# Altium PCB DRS4-PCB.PcbDoc (part 9 of 15)
Units mil, origin at the board's own origin, x right, y up, seen from the top; angles counter-clockwise.
Board outline 12350 x 7411.06 mil, 12 copper layers (Top Layer, Ground Layer 2, Signal Layer 3, Signal Layer 4, Ground Layer 5, Power Layer 6, Ground Layer 7, Ground Layer 8, Power Layer 9, Power Layer 10, Ground Layer 11, Bottom Layer), stack 61.6 mil thick; 1264 components, 1069 nets, 3958 pads, 2329 vias.
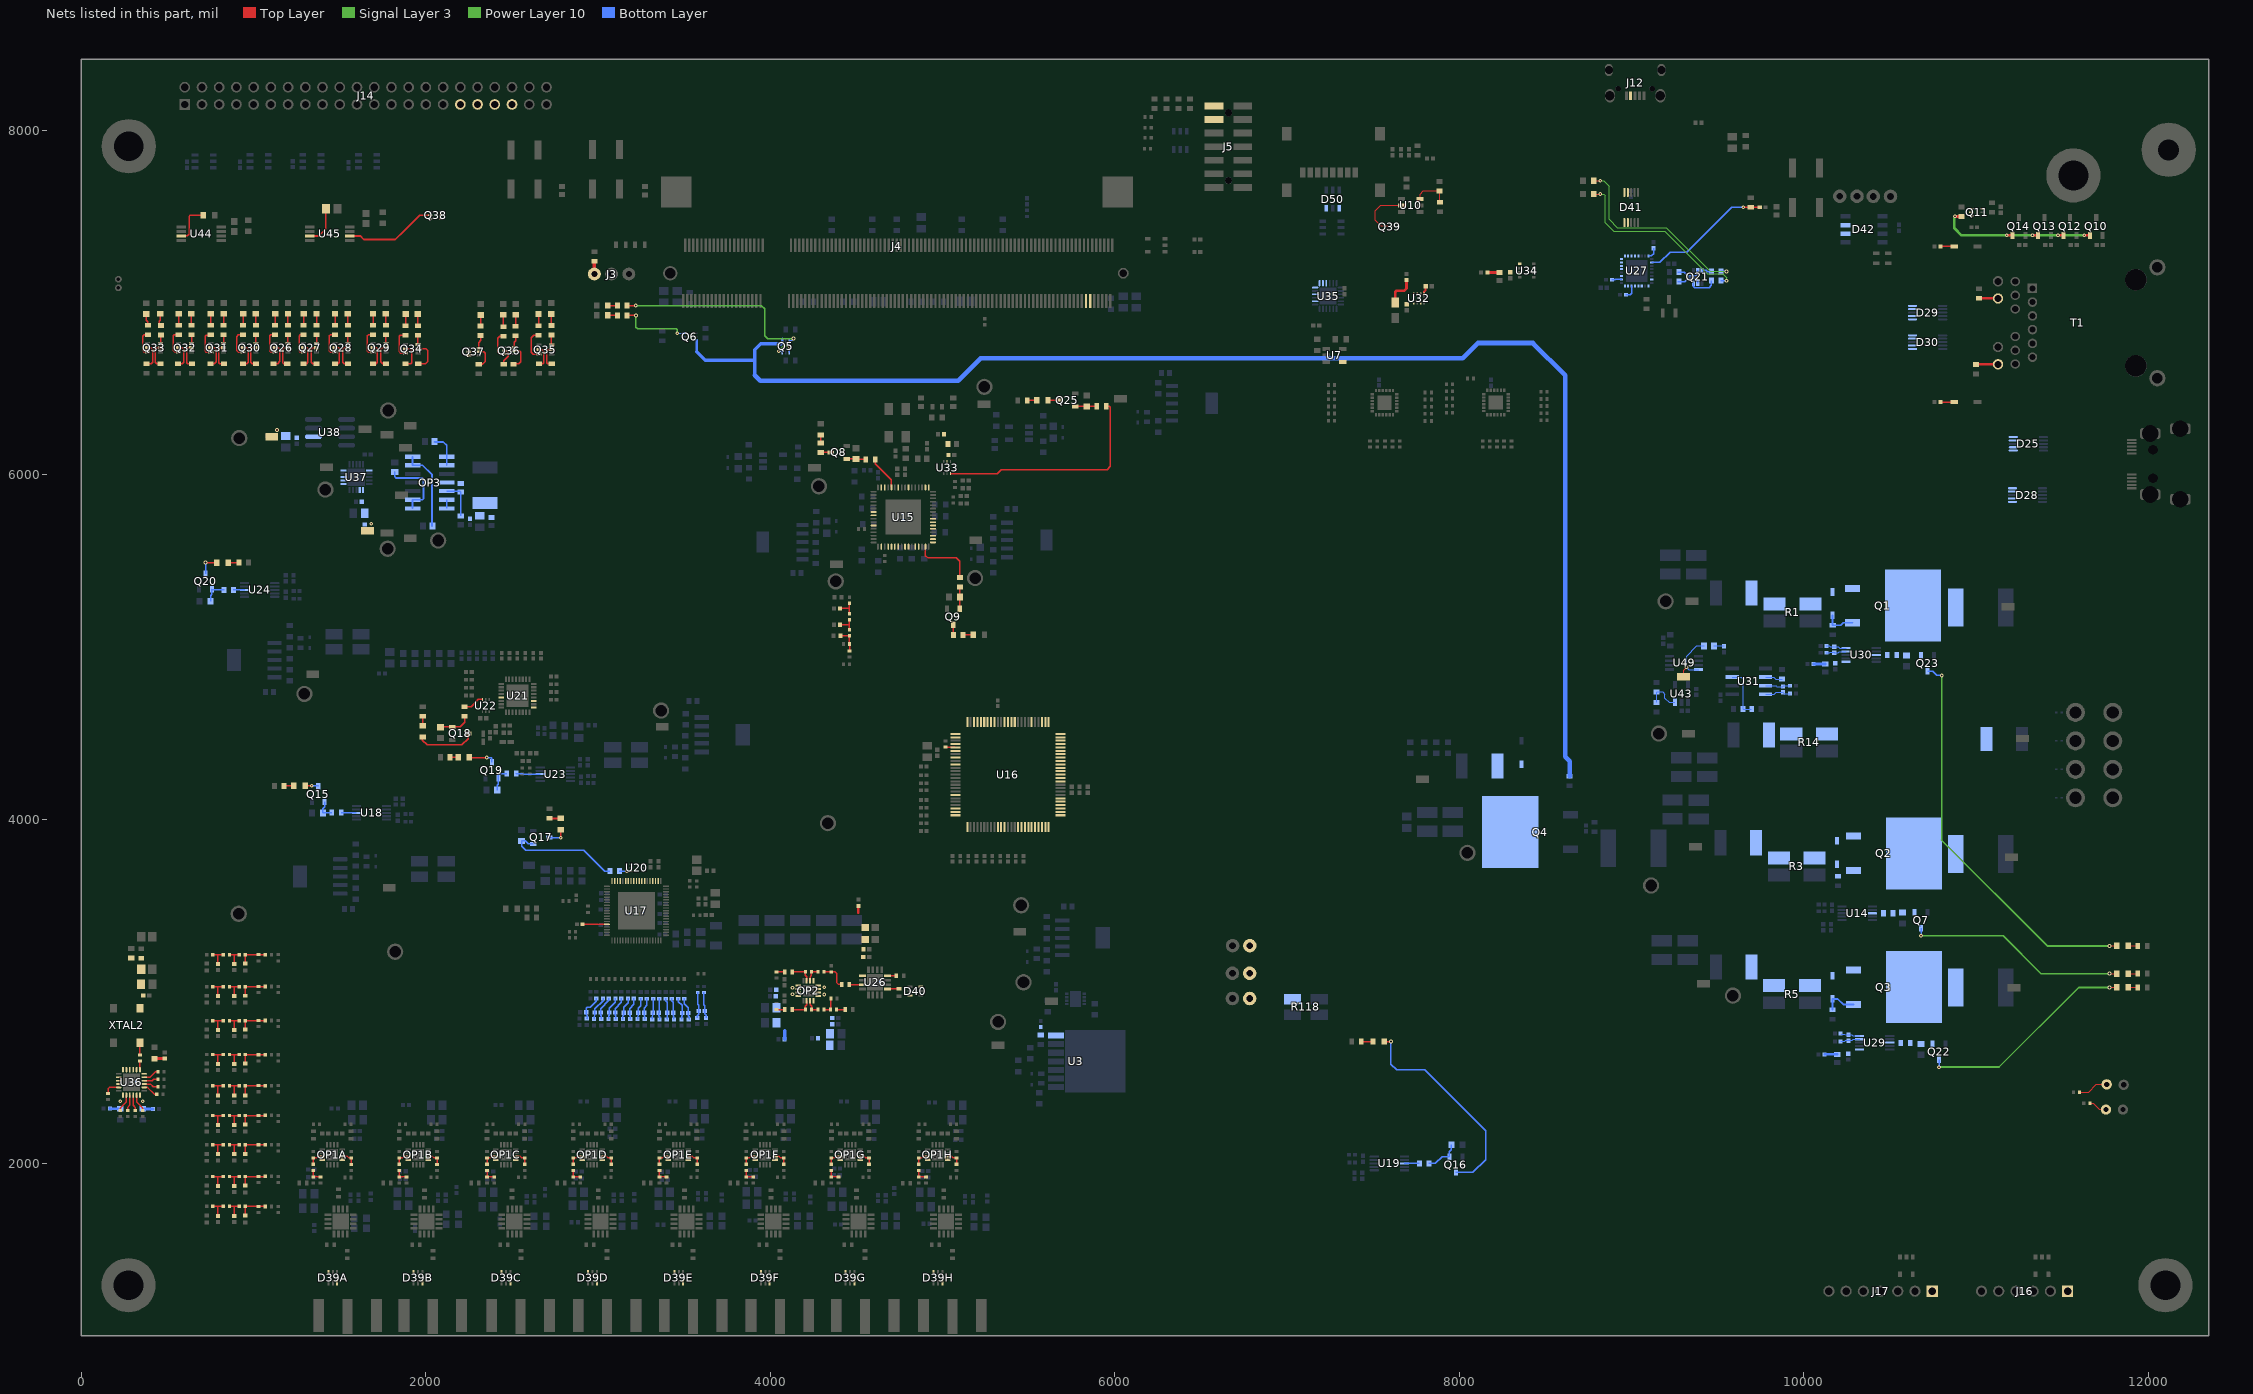
[diagram p19: the nets of this part, all layers, seen from the top]

## Via types
v1: diameter 21.65, hole 10, Top Layer to Bottom Layer, 2294 vias
v2: diameter 25, hole 15, Top Layer to Bottom Layer, 16 vias
v3: diameter 19, hole 8, Top Layer to Bottom Layer, 12 vias
v4: diameter 40, hole 28, Top Layer to Bottom Layer, 3 vias
v5: diameter 30, hole 20, Top Layer to Bottom Layer, 2 vias
v6: diameter 27.56, hole 10, Top Layer to Bottom Layer, 1 vias
v7: diameter 18, hole 10, Top Layer to Bottom Layer, 1 vias

## Nets (pads, with @x,y where several pads share a name; then routed paths per layer and width w, separated by ;. In a path a pad name is that pad's centre, name@x,y a point inside that pad or via, vN(x,y) a via of type N, cw(c..) or ccw(c..) an arc to the next point about the centre after c; other vN are vias at no path point) (continued)
NetC212A_2: C212A.2 L3A.2 R180A.1 | length 156.1
  Bottom Layer w7.87: L3A.2@2933.69,2842.07 2935.94,2844.32 2935.94,2860.83 2931.36,2865.41 2931.36,2879.68 2931.36,2901.93 2938.08,2908.66 2955.24,2908.66 2989.75,2943.17 R180A.1@2989.75,2961.05
NetC212B_1: C212B.1 L2B.1 R179B.1 | length 142.9
  Bottom Layer w7.87: L2B.1@2976.14,2839.58 2976,2839.73 2976,2856.88 2980.49,2861.37 2980.49,2877.19 2980.49,2898.39 3028.3,2946.2 R179B.1@3028.3,2960.74
NetC212B_2: C212B.2 L3B.2 R180B.1 | length 143
  Bottom Layer w7.87: L3B.2@3017.89,2839.58 3018.23,2839.93 3018.23,2858.11 3013.96,2862.38 3013.96,2877.19 3013.96,2900.22 3062.16,2948.42 R180B.1@3062.16,2960.74
NetC212C_1: C212C.1 L2C.1 R179C.1 | length 137.5
  Bottom Layer w7.87: L2C.1@3060.25,2840.03 3060.87,2840.64 3060.87,2857.81 3065.17,2862.11 3065.17,2877.64 3065.17,2902.37 3100.7,2937.91 R179C.1@3100.7,2960.74
NetC212C_2: C212C.2 L3C.2 R180C.1 | length 137.9
  Bottom Layer w7.87: L3C.2@3101.99,2840.03 3103.1,2841.14 3103.1,2858.05 3098.63,2862.52 3098.63,2877.64 3098.63,2900.48 3134.56,2936.41 R180C.1@3134.56,2960.74
NetC212D_1: C212D.1 L2D.1 R179D.1 | length 134
  Bottom Layer w7.87: L2D.1@3144.56,2839.19 3144.22,2839.53 3144.22,2857.72 3149.52,2863.02 3149.52,2876.8 3149.52,2908.65 3174.03,2933.16 R179D.1@3174.03,2960.74
NetC212D_2: C212D.2 L3D.2 R180D.1 | length 133.8
  Bottom Layer w7.87: L3D.2@3186.31,2839.19 3186.95,2839.84 3186.95,2857.69 3182.99,2861.65 3182.99,2876.8 3182.99,2900.95 3207.89,2925.85 R180D.1@3207.89,2960.74
NetC212E_1: C212E.1 L2E.1 R179E.1 | length 128
  Bottom Layer w7.87: L2E.1@3228.53,2839.19 3228.53,2854.35 3233,2858.82 C212E.1@3233,2876.19 ; C212E.1@3233.61,2876.8 3233.61,2902.75 3248.46,2917.59 R179E.1@3248.46,2959.8
NetC212E_2: C212E.2 L3E.2 R180E.1 | length 128.1
  Bottom Layer w7.87: L3E.2@3270.27,2839.19 3270.27,2855.27 3267.07,2858.47 3267.07,2876.8 3267.07,2903.83 3281.92,2918.68 R180E.1@3281.92,2959.79
NetC212F_1: C212F.1 L2F.1 R179F.1 | length 122.8
  Bottom Layer w7.87: L2F.1@3314.17,2838.55 3314.36,2838.75 3314.36,2856.97 3317.92,2860.53 C212F.1@3317.92,2876.16 ; C212F.1@3320.46,2876.16 R179F.1@3320.46,2959.79
NetC212F_2: C212F.2 L3F.2 R180F.1 | length 122.2
  Bottom Layer w7.87: C212F.2@3351.38,2876.16 3351.38,2859.59 3356.48,2854.49 3356.48,2839.13 L3F.2@3355.91,2838.55 ; C212F.2@3354.32,2877.52 R180F.1@3354.32,2959.79
NetC212G_1: C212G.1 L2G.1 R179G.1 | length 127
  Bottom Layer w7.87: R179G.1@3392.86,2959.79 3392.86,2945.58 3402.45,2936 3402.45,2876 3402.45,2860.57 3400.36,2858.48 3400.36,2840.23 L2G.1@3398.5,2838.37
NetC212G_2: C212G.2 L3G.2 R180G.1 | length 127
  Bottom Layer w7.87: R180G.1@3426.72,2959.79 3426.72,2947.28 3435.91,2938.09 3435.91,2876 3435.91,2859.63 3440.24,2855.3 L3G.2@3440.24,2838.37
NetC212H_1: C212H.1 L2H.1 R179H.1 | length 136.4
  Bottom Layer w7.87: R179H.1@3465.27,2959.79 3465.27,2941.07 3487.54,2918.8 C212H.1@3487.54,2872.31 ; L2H.1@3483.99,2838.15 3486.44,2840.6 3486.44,2856.15 3488.94,2858.65 C212H.1@3488.94,2875.75
NetC212H_2: C212H.2 L3H.2 R180H.1 | length 134.7
  Bottom Layer w7.87: R180H.1@3499.12,2959.79 3499.12,2928.76 3522.4,2905.48 3522.4,2875.75 3522.4,2858.15 3528.15,2852.4 3528.15,2840.56 L3H.2@3525.73,2838.15
NetC213_2: C213.2 C214.1 C215.2 C216.1 FB13.2 U26.1 | length 39
  Top Layer w15.75: 4510.85,3457.92 FB13.2@4510.85,3496.94
NetC217_1: C217.1 C219.1 C221.2 C224.2 FB14.2 OP2.5 OP2.6 OP2.7 OP2.8 | length 48.6
  Bottom Layer w19.68: FB14.2@4082.24,2722.4 4082.24,2771
  other v1: 4127.83,2983.26 4127.83,3022.09
NetC218_1: C218.1 C220.1 C222.2 C225.2 FB15.2 OP2.13 OP2.14 OP2.15 OP2.16
  other v1: 4312.44,2982.53 4312.44,3023.85
NetC227_2: C227.2 R183.2 | length 48.9
  Top Layer w8.72: R183.2@4384.53,2894.77 C227.2@4433.43,2894.77
NetC228_1: C228.1 U26.12 | length 47.1
  Top Layer w8.72: U26.12@4683.47,3091.14 C228.1@4730.59,3091.14
NetC229_1: C229.1 U26.9 | length 62.3
  Top Layer w8.72: U26.9@4683.47,3014.36 C229.1@4745.8,3014.36
NetC230_1: C230.1 R187.1 R188.2 | length 162.9
  Top Layer w8.72: R187.1@4311.69,3113.85 R188.2@4353.04,3113.85 4375.04,3113.85 4385.84,3103.05 4385.84,3049.69 4394.75,3040.78 C230.1@4413.11,3040.78
NetC230_2: C230.2 U26.3 | length 75.2
  Top Layer w8.72: C230.2@4459.4,3039.95 U26.3@4534.65,3039.95
NetC231_1: C231.1 R185.1 | length 47.6
  Top Layer w7.87: R185.1@4035.64,2894.75 C231.1@4083.23,2894.75
NetC231_2: C231.2 OP2.10 R190.2 | length 130.2
  Top Layer w7.87: C231.2@4127.83,2894.76 R190.2@4203.43,2894.75 ; R190.2@4203.43,2894.75 4203.43,2914.47 4210.79,2921.83 OP2.10@4210.79,2946.38
NetC232_1: C232.1 R186.1 | length 47.6
  Top Layer w7.87: R186.1@4035.63,3113.53 C232.1@4083.23,3113.53
NetC232_2: C232.2 OP2.3 R189.2 | length 130.7
  Top Layer w7.8: C232.2@4127.82,3113.55 R189.2@4203.41,3113.55 ; R189.2@4202.11,3111.46 4202.11,3092.83 4210.5,3084.45 OP2.3@4210.5,3059.86
NetC233_1: C233.1 L4.1 R191.1 | length 154.1
  Bottom Layer w7.87: L4.1@3575.31,2847.16 3575.31,2859.12 3585.3,2869.11 3585.3,2886.03 3585.3,2918.86 3578.4,2925.75 R191.1@3578.4,2994.26
NetC233_2: C233.2 L5.2 R192.1 | length 153.5
  Bottom Layer w7.87: R192.1@3614.01,2994.26 3614.01,2923.1 3620.2,2916.91 3620.2,2887.47 3618.76,2886.03 3618.76,2869.7 3626.66,2861.8 L5.2@3626.66,2847.16
NetC234_2: C234.2 L8.2 R193.1 R194.2 | length 141.8
  Top Layer w8.72: C234.2@4406.37,5064.64 L8.2@4459.13,5064.64 4459.13,5018.46 R194.2@4459.92,5017.68 4459.92,4976.59 R193.1@4460.37,4976.14
NetC236_2: C236.2 L6.2 L7.1 | length 110
  Top Layer w8.72: C236.2@4408.3,5223.53 4459.13,5223.53 ; L7.1@4459.13,5193.77 4459.13,5223.53 ; L6.2@4459.13,5252.94 4459.13,5223.53
NetC237_2: C237.2 L7.2 L8.1 | length 111.6
  Top Layer w8.72: C237.2@4404.2,5129.13 4457.49,5129.13 ; L8.1@4459.13,5100.07 L7.2@4459.13,5158.34
NetC240_2: C240.2 U27.16 | length 65.3
  Bottom Layer w7.87: U27.16@9097.95,7270.67 9114.35,7270.67 9127.53,7283.86 C240.2@9127.53,7314.15
NetC247_1: C247.1 R213.1 U30.10 | length 119
  Bottom Layer w5: R213.1@10131.1,5005.8 10147.94,5005.8 10151.77,5001.97 10175.1,5001.97 10175.89,5001.18 10198.6,5001.18 10206.98,4992.8 U30.10@10244.75,4992.8
NetC247_2: C247.2 R207.1 U30.9 | length 118.4
  Bottom Layer w5: R207.1@10131.1,4965.85 10150.39,4965.85 10152.46,4967.91 10175.69,4967.91 10175.89,4967.72 10177.76,4965.85 10199.11,4965.85 10206.39,4973.12 U30.9@10244.75,4973.12
NetC248_1: C248.1 R212.1 U29.10 | length 115.7
  Bottom Layer w5: R212.1@10213.04,2755.29 10215.83,2752.5 10238.5,2752.5 10241.77,2749.23 10259.31,2749.23 10277.01,2749.23 10284.06,2742.19 U29.10@10323.3,2742.19
NetC248_2: C248.2 R206.1 U29.9 | length 115.4
  Bottom Layer w5: R206.1@10213.04,2710 10214.54,2711.5 10237.5,2711.5 10241.77,2715.77 10259.31,2715.77 10280.52,2715.77 10287.25,2722.5 U29.9@10323.3,2722.5
NetC249_1: C249.1 R208.1 U31.7 | length 144.2
  Bottom Layer w5: U31.7@9777,4775 9838,4775 9843,4770 C249.1@9876,4770 ; C249.1@9878,4770.32 9882.13,4774.45 R208.1@9919.44,4774.45
NetC249_2: C249.2 R214.1 U31.8 | length 147.7
  Bottom Layer w5: U31.8@9777,4725 9829,4725 9840,4736 C249.2@9876,4736 ; C249.2@9878,4735.68 9884.51,4729.17 R214.1@9919.44,4729.17
NetC250_2: C250.2 C251.1 FB17.2 U29.6 | length 71.6
  Bottom Layer w15.75: FB17.2@10122.18,2634.84 C251.1@10193.62,2634.84 C251.1@10193.52,2634.95
NetC252_2: C252.2 C253.1 FB18.2 U30.6 | length 68.6
  Bottom Layer w15.75: FB18.2@10055.34,4901.46 C253.1@10123.9,4901.46
NetC256_1: C256.1 C260.1 FB21.2 U32.5 U32.6 U32.9 U32.10 | length 179.3
  Top Layer w15.75: C260.1@7627,7000.28 7627,7059.04 7636.23,7068.26 7680.51,7068.26 7693,7080.75 FB21.2@7693,7126.3
NetC257_1: C257.1 U32.4 | length 44.8
  Top Layer w11: U32.4@7795.32,7052.47 7795.32,7063.29 7803.59,7071.56 7803.59,7093.68 C257.1@7803.73,7093.82
NetC258_1: C258.1 C259.1 FB20.1 U34.2 U34.6 U34.8 | length 70.8
  Top Layer w15.75: FB20.1@8161.88,7173.54 C258.1@8232.7,7173.54
NetC261_2: C261.2 C262.1 FB22.2 U33.5
NetC264_2: C264.2 R126.2 | length 58.7
  Bottom Layer w5: R126.2@9477.88,5005.8 9534.52,5005.8 C264.2@9536,5004.32
NetC272_1: C272.1 FB24.1 U36.24 | length 60.1
  Bottom Layer w15.75: C272.1@356.95,2319.76 359.42,2317.29 FB24.1@415.97,2317.29
  other v1: 356.18,2362.09
NetC273_1: C273.1 FB25.1 U36.19 | length 59.2
  Bottom Layer w15.75: FB25.1@165.37,2320.18 165.79,2319.75 C273.1@224.39,2319.75
  other v1: 225.93,2362.49
NetC274_1: C274.1 FB26.1 U36.6 | length 59.8
  Top Layer w15.75: C274.1@424.34,2610.27 482.88,2610.27 FB26.1@483.8,2609.35
NetC275_2: C275.2 C276.1 C277.2 L9.1 R260.2 XTAL2.4
NetC280_2: C280.2 L10.2 L11.1 | length 121.5
  Top Layer w8.72: L10.2@763.45,1751.92 792.85,1751.92 ; C280.2@792.85,1699.45 792.85,1751.92 ; L11.1@832.51,1751.92 792.85,1751.92
NetC281_2: C281.2 L11.2 L12.1 | length 99.2
  Top Layer w8.72: L11.2@867.94,1751.92 L12.1@916.32,1751.92 ; C281.2@887.26,1699.45 887.26,1750.27
NetC282_2: C282.2 L12.2 R261.1 R263.2 | length 168.3
  Top Layer w8.72: C282.2@951.75,1699.45 951.75,1751.92 1066.73,1751.92 R261.1@1067.34,1751.31
NetC284_2: C284.2 L13.2 L14.1 | length 114.1
  Top Layer w8.72: L13.2@763.45,2633.44 792.85,2633.44 ; C284.2@792.85,2578.5 C284.2@792.85,2579.19 792.85,2633.44 ; L14.1@822.62,2633.44 792.85,2633.44
NetC285_2: C285.2 L14.2 L15.1 | length 111.6
  Top Layer w8.72: L14.2@858.05,2633.44 L15.1@916.32,2633.44 ; C285.2@887.26,2578.5 C285.2@887.26,2579.19 887.26,2631.79
NetC286_2: C286.2 L15.2 R262.1 R265.2 | length 168.8
  Top Layer w8.72: C286.2@951.75,2580.67 C286.2@951.75,2581.35 951.75,2633.44 1066.32,2633.44 R262.1@1067.34,2632.42
NetC288_2: C288.2 L16.2 L17.1 | length 114.1
  Top Layer w8.72: L16.2@763.45,1925.43 792.85,1925.45 ; C288.2@792.85,1870.53 792.85,1925.45 ; L17.1@822.62,1925.45 792.85,1925.45
NetC289_2: C289.2 L17.2 L18.1 | length 111.6
  Top Layer w8.72: L17.2@858.05,1925.45 L18.1@916.32,1925.45 ; C289.2@887.26,1870.53 887.26,1923.8
NetC290_2: C290.2 L18.2 R267.1 R269.2 | length 168.9
  Top Layer w8.72: C290.2@951.75,1872.69 951.75,1925.45 1066.08,1925.45 R267.1@1067.34,1926.71
NetC292_2: C292.2 L19.2 L20.1 | length 114.1
  Top Layer w8.72: L19.2@763.45,2830.96 792.85,2830.96 ; C292.2@792.85,2776.04 792.85,2830.96 ; L20.1@822.62,2830.96 792.85,2830.96
NetC293_2: C293.2 L20.2 L21.1 | length 111.6
  Top Layer w8.72: L20.2@858.05,2830.96 L21.1@916.32,2830.96 ; C293.2@887.26,2776.04 887.26,2829.31
NetC294_2: C294.2 L21.2 R268.1 R272.2 | length 168.4
  Top Layer w8.72: C294.2@951.75,2778.2 951.75,2830.96 1067.23,2830.96 R268.1@1067.34,2830.84
NetC296_2: C296.2 L22.2 L23.1 | length 114.1
  Top Layer w8.72: L22.2@763.45,2110 792.85,2110 ; C296.2@792.85,2055.05 792.85,2110 ; L23.1@822.62,2110 792.85,2110
NetC297_2: C297.2 L23.2 L24.1 | length 111.6
  Top Layer w8.72: L23.2@858.05,2110 L24.1@916.32,2110 ; C297.2@887.26,2055.05 887.26,2108.36
NetC298_2: C298.2 L24.2 R273.1 R275.2 | length 168.4
  Top Layer w8.72: C298.2@951.75,2057.22 951.75,2110 1067.27,2110 R273.1@1067.34,2109.94
NetC300_2: C300.2 L25.2 L26.1 | length 114.1
  Top Layer w8.72: L25.2@763.45,3027.8 792.85,3027.81 ; C300.2@792.85,2972.89 792.85,3027.81 ; L26.1@822.62,3027.81 792.85,3027.81
NetC301_2: C301.2 L26.2 L27.1 | length 111.6
  Top Layer w8.72: L26.2@858.05,3027.81 L27.1@916.32,3027.81 ; C301.2@887.26,2972.89 887.26,3026.16
NetC302_2: C302.2 L27.2 R274.1 R278.2 | length 168.8
  Top Layer w8.72: C302.2@951.75,2975.05 951.75,3027.81 1066.28,3027.81 R274.1@1067.34,3028.87
NetC304_2: C304.2 L28.2 L29.1 | length 114.1
  Top Layer w8.72: L28.2@763.45,2279.76 792.85,2279.78 ; C304.2@792.85,2224.83 792.85,2279.78 ; L29.1@822.62,2279.78 792.85,2279.78
NetC305_2: C305.2 L29.2 L30.1 | length 111.6
  Top Layer w8.72: L29.2@858.05,2279.78 L30.1@916.32,2279.78 ; C305.2@887.26,2224.83 887.26,2278.13
NetC306_2: C306.2 L30.2 R279.1 R281.2 | length 168.7
  Top Layer w8.72: C306.2@951.75,2226.99 951.75,2279.78 1066.48,2279.78 R279.1@1067.34,2280.64
NetC308_2: C308.2 L31.2 L32.1 | length 114.1
  Top Layer w8.72: L31.2@763.45,3214.02 792.85,3214 ; C308.2@792.85,3159.07 792.85,3214 ; L32.1@822.62,3214 792.85,3214
NetC309_2: C309.2 L32.2 L33.1 | length 113.9
  Top Layer w8.72: L32.2@858.05,3214 885.62,3214 ; C309.2@887.26,3159.07 887.26,3212.35 885.62,3214 ; L33.1@916.32,3214 885.62,3214
NetC310_2: C310.2 L33.2 R280.1 R283.2 | length 168.6
  Top Layer w8.72: C310.2@951.75,3161.24 951.75,3214 1066.86,3214 R280.1@1067.34,3213.52
NetC312_2: C312.2 L34.2 L35.1 | length 114.1
  Top Layer w8.72: L34.2@763.45,2452.99 792.85,2453.01 ; C312.2@792.85,2398.07 792.85,2453.01 ; L35.1@822.62,2453.01 792.85,2453.01
NetC313_2: C313.2 L35.2 L36.1 | length 111.6
  Top Layer w8.72: L35.2@858.05,2453.01 L36.1@916.32,2453.01 ; C313.2@887.26,2398.07 887.26,2451.36
NetC314_2: C314.2 L36.2 R285.1 R286.2 | length 168.4
  Top Layer w8.72: C314.2@951.75,2400.24 951.75,2453.01 1067.26,2453.01 R285.1@1067.34,2453.09
NetC321_1: C321.1 C322.2 FB27.2 TP76.1 U37.1 U37.2
  other v1: 1682.92,5714.88
NetC323_1: C323.1 C324.2 FB28.2 TP81.1 U38.2
  other v1: 1135.87,6259.28
NetC326_1: C326.1 C327.1 C328.2 FB29.2 OP3.4 R290.2
NetC338_2: C338.2 U44.3 | length 239
  Top Layer w7.87: U44.3@580.3,7386.22 615.72,7386.2 625.54,7396.03 625.54,7500.61 630.16,7505.22 C338.2@708.71,7505.22
NetC342_1: C342.1 U45.3 | length 228.4
  Top Layer w10: U45.3@1325.88,7386.22 1379.22,7386.22 1419.25,7426.25 C342.1@1419.25,7544.69
NetD5_1: D5.1 Q1.3 R1.2
NetD5_2: D5.2 Q1.1 R2.2 | length 178.4
  Bottom Layer w10: D5.2@10166.57,5183.2 10166.57,5126.73 R2.2@10167.32,5125.98 10214.45,5125.98 10228.65,5140.18 Q1.1@10282.34,5140.18
NetD6_1: D6.1 Q2.3 R3.2
NetD6_2: D6.2 Q2.1 R4.2
NetD7_1: D7.1 Q3.3 R5.2
NetD7_2: D7.2 Q3.1 R6.2 | length 198.1
  Bottom Layer w10: R6.2@10166.57,2893.97 D7.2@10166.57,2956.51 10196.72,2956.51 10228.47,2924.76 Q3.1@10288.94,2924.76
NetD19_1: D19.1 FB5.1 Q4.2
NetD20_1: D20.1 R23.2 | length 56.1
  Top Layer w7.87: D20.1@3056.77,6982.13 R23.2@3112.84,6982.13
NetD22_1: D22.1 R27.1 | length 56.1
  Top Layer w7.87: D22.1@3056.68,6924.49 R27.1@3112.75,6924.49
NetD23_1: D23.1 R35.2 | length 56.1
  Top Layer w5: D23.1@11881.97,3103.66 R35.2@11938.03,3103.66
NetD23_2: D23.2 Q7.3 | length 1275.2
  Top Layer w5: v1(11773.7,3103.67) D23.2@11817.01,3103.67
  Signal Layer 3 w9.8: v1@10679.79,3331.39 10687.64,3323.54 11156.69,3323.54 11376.57,3103.67 v1(11773.7,3103.67)
  Bottom Layer w5: v1(10679.79,3323.31) v1@10680.02,3323.54
  Bottom Layer w7.87: v1@10680.02,3323.54 Q7.3@10680.02,3366.84
NetD25_6: D25.6
NetD25_7: D25.7
NetD25_9: D25.9
NetD25_10: D25.10
NetD26_2: D26.2 R54.2 | length 46.7
  Top Layer w7.87: R54.2@4292.13,6183.61 D26.2@4292.13,6230.27
NetD27_2: D27.2 R55.2 | length 59.1
  Top Layer w7.87: R55.2@5118.74,5069.96 D27.2@5177.85,5069.96
NetD28_6: D28.6
NetD28_7: D28.7
NetD28_9: D28.9
NetD28_10: D28.10
NetD29_6: D29.6
NetD29_7: D29.7
NetD29_9: D29.9
NetD29_10: D29.10
NetD30_6: D30.6
NetD30_7: D30.7
NetD30_9: D30.9
NetD30_10: D30.10
NetD31_1: D31.1 R66.1 | length 79.9
  Top Layer w7.87: R66.1@10792.13,7324.92 D31.1@10872.08,7324.92
NetD32_1: D32.1 R67.1 | length 80
  Top Layer w7.87: R67.1@10792.13,6421.53 10871.81,6421.53 D32.1@10872.01,6421.34
NetD33_1: D33.1 R100.2 | length 58.4
  Top Layer w7.87: R100.2@1175.7,4193 1176.28,4193.58 D33.1@1233.9,4193.58
NetD33_2: D33.2 Q15.3 | length 76.8
  Top Layer w7.87: D33.2@1298.86,4193.58 v1(1337.2,4193.58)
  Bottom Layer w7.87: v1(1337.2,4193.58) 1374.14,4193.58 Q15.3@1375.2,4192.53
NetD34_1: D34.1 R108.2 | length 68.9
  Top Layer w7.87: R108.2@7429.46,2709.43 D34.1@7498.37,2709.43
NetD34_2: D34.2 Q16.3 | length 1253.7
  Top Layer w7.87: D34.2@7563.33,2709.43 v1(7602.79,2709.43)
  Bottom Layer w7.87: v1(7602.79,2709.43) 7602.79,2577.65 7635.39,2545.06 7798.84,2545.06 8153.47,2190.43 8153.47,2023.99 8078.55,1949.07 Q16.3@7979.57,1949.07
NetD35_1: D35.1 R130.2 | length 65.5
  Top Layer w10: R130.2@2718.44,4004.89 2718.44,4004.62 D35.1@2783.7,4004.62
NetD35_2: D35.2 Q17.3 | length 117.1
  Top Layer w10: v1(2783.7,3891.75) D35.2@2783.7,3939.66
  Bottom Layer w10: Q17.3@2715.68,3893.77 ccw(c2717.7,3893.77) 2717.7,3891.75 v1(2783.7,3891.75)
NetD36_1: D36.1 R147.2 | length 56.1
  Top Layer w7.87: D36.1@1981.58,4542 R147.2@1981.58,4598.08
NetD36_2: D36.2 Q18.3 | length 341.8
  Top Layer w7.87: D36.2@1979.68,4477.04 1979.68,4458.31 2007,4431 2208.93,4431 2246.02,4468.08 Q18.3@2246.02,4498.12
NetD37_1: D37.1 R169.2 | length 63.1
  Top Layer w7.87: D37.1@851.73,5489.7 R169.2@914.86,5489.7
NetD37_2: D37.2 Q20.3 | length 130.2
  Top Layer w7.87: v1@719.95,5489.7 D37.2@786.77,5489.69
  Bottom Layer w7.87: Q20.3@720.67,5426.33 v1(720.67,5489.69)
NetD38_1: D38.1 R170.2 | length 47.7
  Top Layer w7.87: R170.2@2140.29,4359.52 2187.14,4359.52 D38.1@2187.72,4358.95
NetD38_2: D38.2 Q19.3 | length 146.5
  Top Layer w7.87: D38.2@2262.78,4357.72 v1(2352.86,4357.72)
  Bottom Layer w7.87: v1(2352.86,4357.72) 2379.51,4357.72 2382.89,4354.34 Q19.3@2382.89,4329.35
NetD39A_3: D39A.3
NetD39A_6: D39A.6
NetD39B_3: D39B.3
NetD39B_6: D39B.6
NetD39C_3: D39C.3
NetD39C_6: D39C.6
NetD39D_3: D39D.3
NetD39D_6: D39D.6
NetD39E_3: D39E.3
NetD39E_6: D39E.6
NetD39F_3: D39F.3
NetD39F_6: D39F.6
NetD39G_3: D39G.3
NetD39G_6: D39G.6
NetD39H_3: D39H.3
NetD39H_6: D39H.6
NetD40_3: D40.3
NetD40_6: D40.6
NetD41_4: D41.4
NetD41_5: D41.5
NetD41_6: D41.6
NetD41_7: D41.7
NetD42_6: D42.6
NetD42_7: D42.7
NetD43_1: D43.1 R202.2 | length 1135.2
  Top Layer w5: D43.1@8780.49,7707.18 v1(8817.34,7707.18)
  Signal Layer 3 w5: v1(8817.34,7707.18) 8837.32,7707.18 8868.84,7675.66 8868.84,7482.09 8917.06,7433.87 9202.11,7433.87 9456.14,7179.84 v1(9550.97,7179.84)
  Bottom Layer w7.87: R202.2@9518.01,7179.84 v1(9550.97,7179.84)
NetD44_1: D44.1 R203.2 | length 1115.5
  Top Layer w5: D44.1@8780.49,7629.53 v1(8817.34,7629.53)
  Signal Layer 3 w5: v1(8817.34,7629.53) 8838.47,7629.53 8845.7,7622.3 8845.7,7462.39 8895.44,7412.65 9192.89,7412.65 9438.28,7167.27 9527.62,7167.27 9550.97,7143.92 v1(9550.97,7126.68)
  Bottom Layer w7.87: R203.2@9518.01,7126.68 v1(9550.97,7126.68)
NetD45_1: D45.1 R218.2 | length 56.1
  Top Layer w5: D45.1@11881.97,3023.31 R218.2@11938.03,3023.31
NetD45_2: D45.2 Q22.3 | length 1267.7
  Top Layer w5: v1(11773.7,3023.3) D45.2@11817.01,3023.3
  Signal Layer 3 w9.8: v1@10784.39,2560.98 11132.7,2560.98 11595.02,3023.3 v1(11773.7,3023.3)
  Bottom Layer w7.87: v1(10784.7,2560.67) Q22.3@10784.7,2604.29
NetD46_1: D46.1 R219.2 | length 56.1
  Top Layer w5: D46.1@11881.97,3264.41 R219.2@11938.03,3264.41
NetD46_2: D46.2 Q23.3 | length 2321.9
  Top Layer w5: v1(11773.7,3264.4) D46.2@11817.01,3264.4
  Signal Layer 3 w9.8: v1(10800,4834.89) 10800,3881.73 10797.71,3879.44 11412.75,3264.4 v1(11773.7,3264.4)
  Bottom Layer w7.87: Q23.3@10718.17,4858.19 10747.7,4858.19 10771,4834.89 v1(10800,4834.89)
NetD48_1: D48.1 R223.2 | length 55.2
  Top Layer w7.87: R223.2@5491.62,6431.56 5492,6431.18 D48.1@5546.67,6431.18
NetD48_2: D48.2 Q25.3 | length 65.7
  Top Layer w7.87: D48.2@5611.63,6431.18 5613.36,6432.91 Q25.3@5676.6,6432.91
NetD50_4: D50.4
NetD50_6: D50.6
NetD59_1: D59.1 R293.2 | length 67.2
  Top Layer w7.87: R293.2@1199.41,6867.01 D59.1@1199.41,6934.17
NetD60_1: D60.1 R294.2 | length 67.2
  Top Layer w7.87: R294.2@1124.61,6867.01 D60.1@1124.61,6934.17
NetD61_1: D61.1 R295.2 | length 67.2
  Top Layer w7.87: R295.2@1364.96,6867.01 D61.1@1364.96,6934.17
NetD62_1: D62.1 R296.2 | length 67.2
  Top Layer w7.87: R296.2@1290.16,6867.01 D62.1@1290.16,6934.17
NetD63_1: D63.1 R297.2 | length 67.2
  Top Layer w7.87: R297.2@1547.28,6867.01 D63.1@1547.28,6934.17
NetD64_1: D64.1 R298.2 | length 67.2
  Top Layer w7.87: R298.2@1472.48,6867.01 D64.1@1472.48,6934.17
NetD65_1: D65.1 R299.2 | length 67.2
  Top Layer w7.87: R299.2@1767.83,6867.02 D65.1@1767.83,6934.17
NetD66_1: D66.1 R300.2 | length 67.2
  Top Layer w7.87: R300.2@1693.03,6867.02 D66.1@1693.03,6934.17
NetD67_1: D67.1 R309.2 | length 67.2
  Top Layer w7.87: R309.2@1013.39,6867.01 D67.1@1013.39,6934.17
NetD68_1: D68.1 R310.2 | length 67.2
  Top Layer w7.87: R310.2@938.58,6867.01 D68.1@938.58,6934.17